# KiCad board RP2040-Breadstick Panel.kicad_pcb (continued)
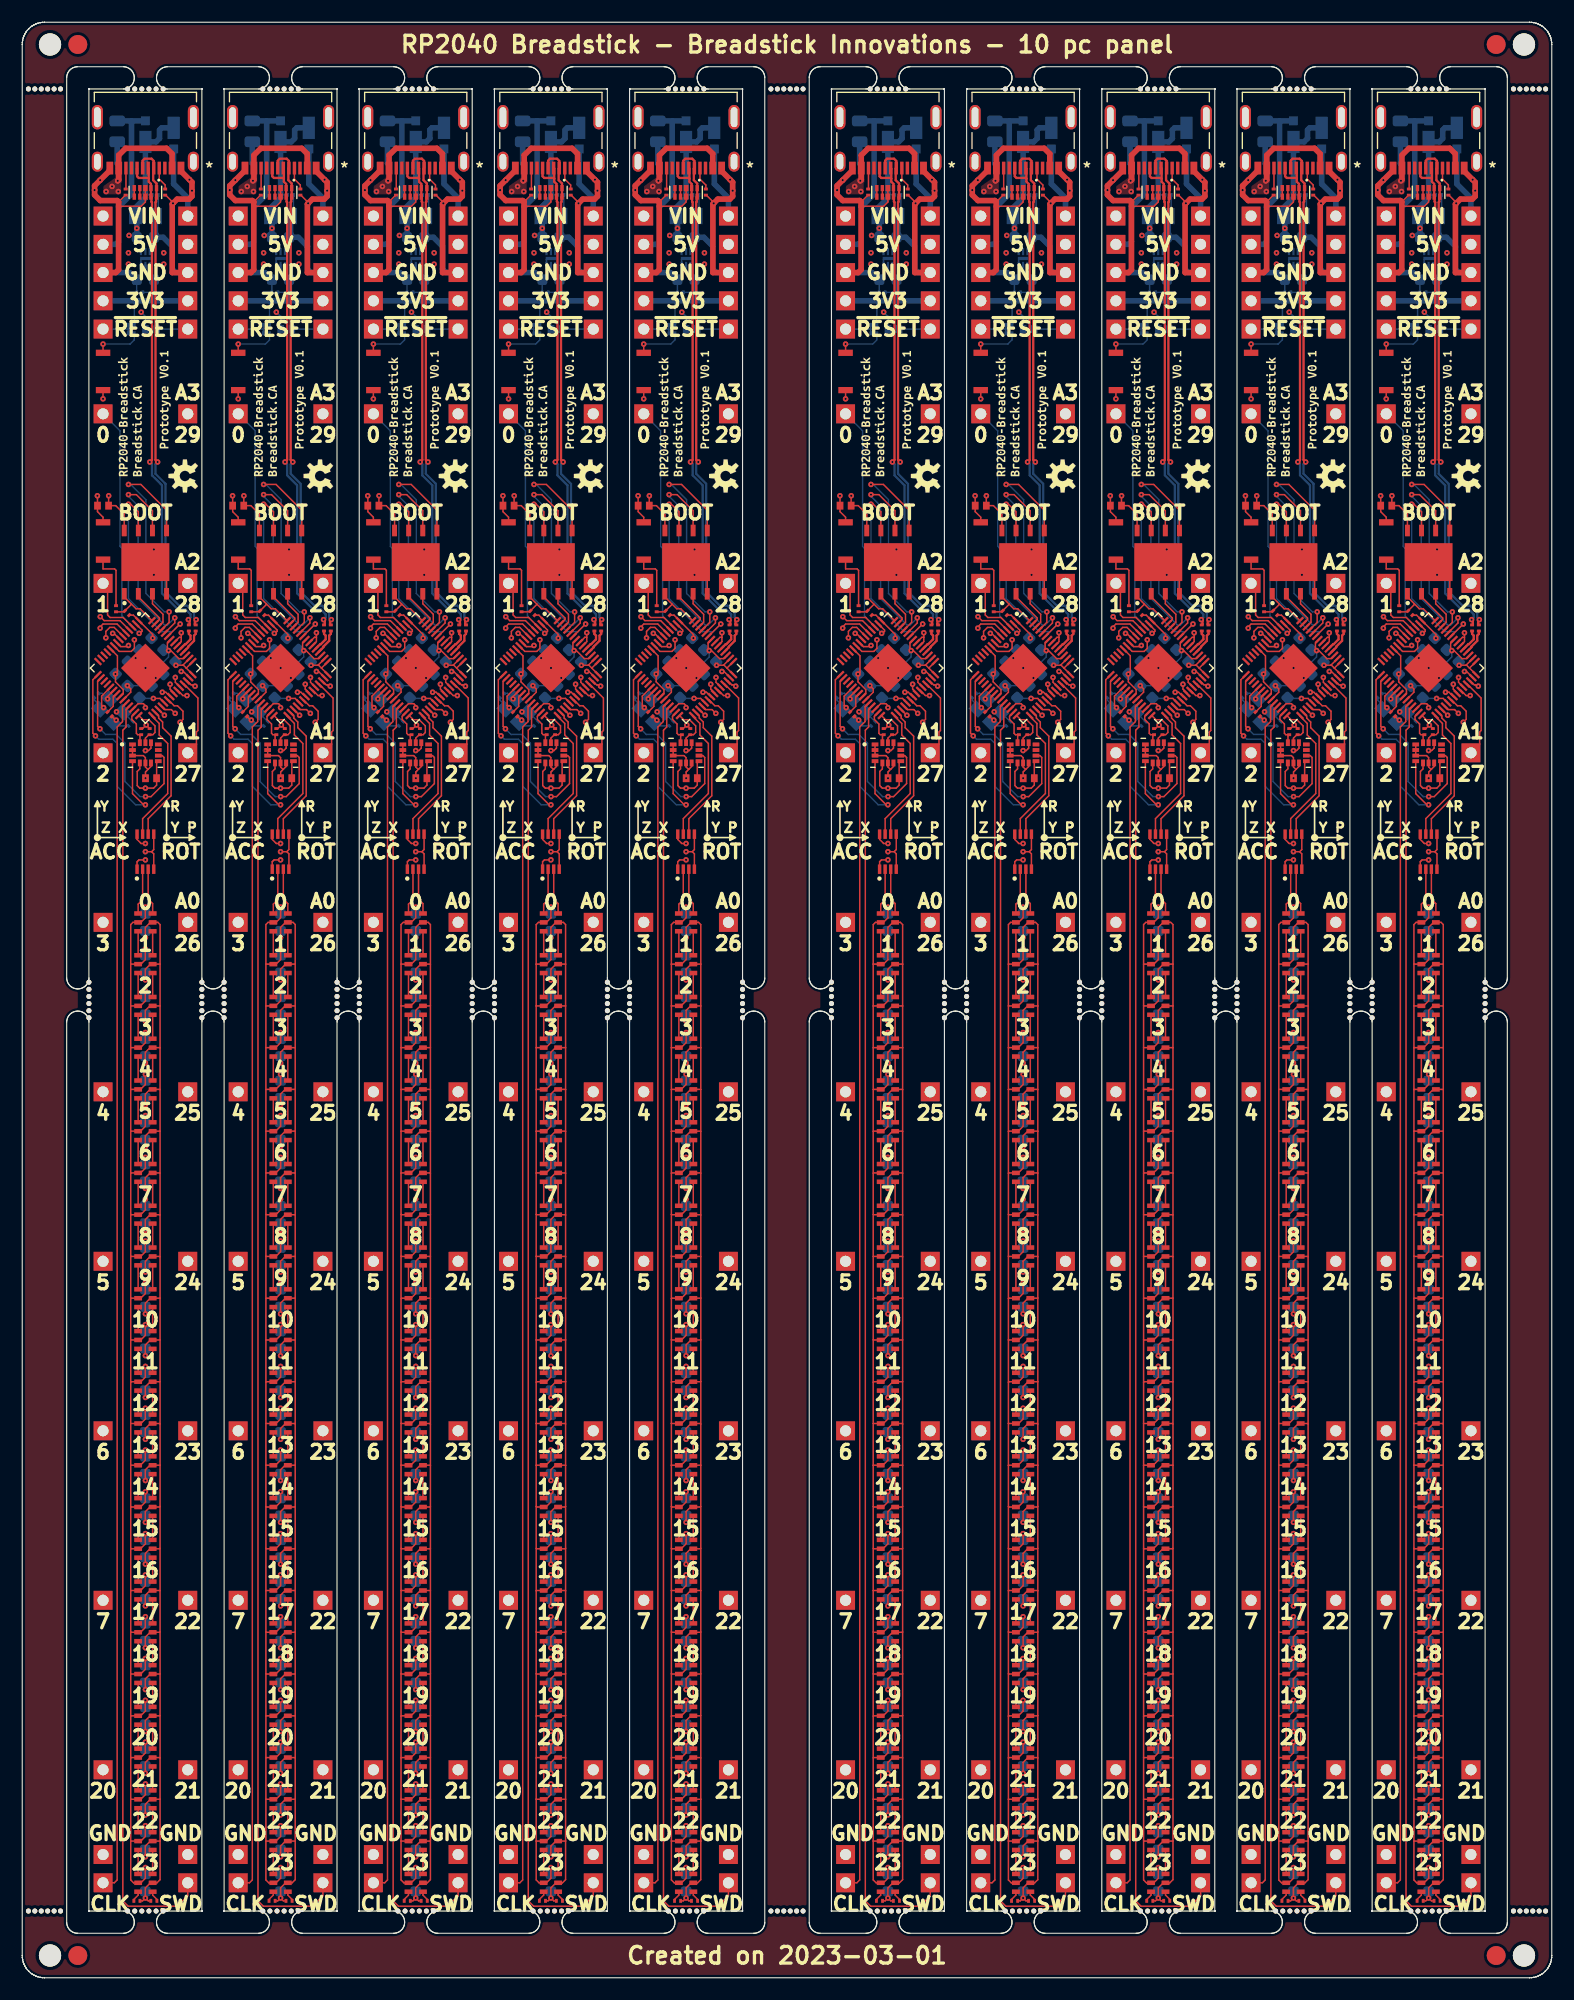
[diagram p0: board, top side]
## Placement (name value [footprint] x y rotation side) (continued)
R209#4  1k 0201  [Perfect_0201_Resistor]  89.66 112.05 180 top
R209#5  1k 0201  [Perfect_0201_Resistor]  35.02 112.05 180 top
R209#6  1k 0201  [Perfect_0201_Resistor]  22.86 112.05 180 top
R209#7  1k 0201  [Perfect_0201_Resistor]  47.18 112.05 180 top
R209#8  1k 0201  [Perfect_0201_Resistor]  101.82 112.05 180 top
R209#9  1k 0201  [Perfect_0201_Resistor]  10.7 112.05 180 top
R209#10  1k 0201  [Perfect_0201_Resistor]  113.98 112.05 180 top
R210  1k 0201  [Perfect_0201_Resistor]  11.46 112.05 180 top
R210#2  1k 0201  [Perfect_0201_Resistor]  90.42 112.05 180 top
R210#3  1k 0201  [Perfect_0201_Resistor]  114.74 112.05 180 top
R210#4  1k 0201  [Perfect_0201_Resistor]  60.1 112.05 180 top
R210#5  1k 0201  [Perfect_0201_Resistor]  23.62 112.05 180 top
R210#6  1k 0201  [Perfect_0201_Resistor]  126.9 112.05 180 top
R210#7  1k 0201  [Perfect_0201_Resistor]  35.78 112.05 180 top
R210#8  1k 0201  [Perfect_0201_Resistor]  47.94 112.05 180 top
R210#9  1k 0201  [Perfect_0201_Resistor]  78.26 112.05 180 top
R210#10  1k 0201  [Perfect_0201_Resistor]  102.58 112.05 180 top
R211  1k 0201  [Perfect_0201_Resistor]  34.13 147.86 90 bottom
R211#2  1k 0201  [Perfect_0201_Resistor]  76.61 147.86 90 bottom
R211#3  1k 0201  [Perfect_0201_Resistor]  21.97 147.86 90 bottom
R211#4  1k 0201  [Perfect_0201_Resistor]  46.29 147.86 90 bottom
R211#5  1k 0201  [Perfect_0201_Resistor]  113.09 147.86 90 bottom
R211#6  1k 0201  [Perfect_0201_Resistor]  100.93 147.86 90 bottom
R211#7  1k 0201  [Perfect_0201_Resistor]  9.81 147.86 90 bottom
R211#8  1k 0201  [Perfect_0201_Resistor]  88.77 147.86 90 bottom
R211#9  1k 0201  [Perfect_0201_Resistor]  125.25 147.86 90 bottom
R211#10  1k 0201  [Perfect_0201_Resistor]  58.45 147.86 90 bottom
R304  10k 0201  [Perfect_0201_Resistor]  58.96 6.91 90 top
R304#2  10k 0201  [Perfect_0201_Resistor]  77.12 6.91 90 top
R304#3  10k 0201  [Perfect_0201_Resistor]  10.32 6.91 90 top
R304#4  10k 0201  [Perfect_0201_Resistor]  101.44 6.91 90 top
R304#5  10k 0201  [Perfect_0201_Resistor]  113.6 6.91 90 top
R304#6  10k 0201  [Perfect_0201_Resistor]  125.76 6.91 90 top
R304#7  10k 0201  [Perfect_0201_Resistor]  89.28 6.91 90 top
R304#8  10k 0201  [Perfect_0201_Resistor]  46.8 6.91 90 top
R304#9  10k 0201  [Perfect_0201_Resistor]  22.48 6.91 90 top
R304#10  10k 0201  [Perfect_0201_Resistor]  34.64 6.91 90 top
R305  10k 0201  [Perfect_0201_Resistor]  90.8 6.91 270 top
R305#2  10k 0201  [Perfect_0201_Resistor]  48.32 6.91 270 top
R305#3  10k 0201  [Perfect_0201_Resistor]  78.64 6.91 270 top
R305#4  10k 0201  [Perfect_0201_Resistor]  11.84 6.91 270 top
R305#5  10k 0201  [Perfect_0201_Resistor]  60.48 6.91 270 top
R305#6  10k 0201  [Perfect_0201_Resistor]  127.28 6.91 270 top
R305#7  10k 0201  [Perfect_0201_Resistor]  24 6.91 270 top
R305#8  10k 0201  [Perfect_0201_Resistor]  102.96 6.91 270 top
R305#9  10k 0201  [Perfect_0201_Resistor]  115.12 6.91 270 top
R305#10  10k 0201  [Perfect_0201_Resistor]  36.16 6.91 270 top
R501  1k 0201  [Perfect_0201_Resistor]  78.77 160.31 90 bottom
R501#2  1k 0201  [Perfect_0201_Resistor]  60.61 160.31 90 bottom
R501#3  1k 0201  [Perfect_0201_Resistor]  48.45 160.31 90 bottom
R501#4  1k 0201  [Perfect_0201_Resistor]  115.25 160.31 90 bottom
R501#5  1k 0201  [Perfect_0201_Resistor]  127.41 160.31 90 bottom
R501#6  1k 0201  [Perfect_0201_Resistor]  103.09 160.31 90 bottom
R501#7  1k 0201  [Perfect_0201_Resistor]  90.93 160.31 90 bottom
R501#8  1k 0201  [Perfect_0201_Resistor]  11.97 160.31 90 bottom
R501#9  1k 0201  [Perfect_0201_Resistor]  36.29 160.31 90 bottom
R501#10  1k 0201  [Perfect_0201_Resistor]  24.13 160.31 90 bottom
R502  1k 0201  [Perfect_0201_Resistor]  59.21 151.54 270 bottom
R502#2  1k 0201  [Perfect_0201_Resistor]  10.57 151.54 270 bottom
R502#3  1k 0201  [Perfect_0201_Resistor]  22.73 151.54 270 bottom
R502#4  1k 0201  [Perfect_0201_Resistor]  77.37 151.54 270 bottom
R502#5  1k 0201  [Perfect_0201_Resistor]  126.01 151.54 270 bottom
R502#6  1k 0201  [Perfect_0201_Resistor]  101.69 151.54 270 bottom
R502#7  1k 0201  [Perfect_0201_Resistor]  113.85 151.54 270 bottom
R502#8  1k 0201  [Perfect_0201_Resistor]  47.05 151.54 270 bottom
R502#9  1k 0201  [Perfect_0201_Resistor]  34.89 151.54 270 bottom
R502#10  1k 0201  [Perfect_0201_Resistor]  89.53 151.54 270 bottom
REF**  -  [NPTH]  40.48 87.6 0 top
REF**#2  -  [NPTH]  84.96 86.32 0 top
REF**#3  -  [NPTH]  21.64 169.83 0 top
REF**#4  -  [NPTH]  42.48 87.6 0 top
REF**#5  -  [NPTH]  60.04 169.83 0 top
REF**#6  -  [NPTH]  135.89 169.83 0 top
REF**#7  -  [NPTH]  103.8 6 0 top
REF**#8  -  [NPTH]  28.32 87.6 0 top
REF**#9  -  [NPTH]  100.6 169.83 0 top
REF**#10  -  [NPTH]  1.71 6 0 top
REF**#11  -  [Fiducial]  5 173.83 0 top
REF**#12  -  [NPTH]  46.6 169.83 0 top
REF**#13  -  [NPTH]  37 169.83 0 top
REF**#14  -  [NPTH]  47.88 169.83 0 top
REF**#15  -  [NPTH]  34.44 6 0 top
REF**#16  -  [NPTH]  90.36 169.83 0 top
REF**#17  -  [NPTH]  36.36 169.83 0 top
REF**#18  -  [NPTH]  58.12 169.83 0 top
REF**#19  -  [NPTH]  100.6 6 0 top
REF**#20  -  [NPTH]  24.2 6 0 top
REF**#21  -  [NPTH]  69.67 169.83 0 top
REF**#22  -  [NPTH]  52.64 88.88 0 top
REF**#23  -  [NPTH]  67.36 6 0 top
REF**#24  -  [NPTH]  127.48 169.83 0 top
REF**#25  -  [NPTH]  131.6 89.52 0 top
REF**#26  -  [NPTH]  60.68 169.83 0 top
REF**#27  -  [NPTH]  103.16 169.83 0 top
REF**#28  -  [NPTH]  40.48 86.96 0 top
REF**#29  -  [NPTH]  126.2 6 0 top
REF**#30  -  [NPTH]  131.6 87.6 0 top
REF**#31  -  [NPTH#2]  135.1 2 0 top
REF**#32  -  [NPTH]  88.44 6 0 top
REF**#33  -  [NPTH]  82.96 89.52 0 top
REF**#34  -  [NPTH]  128.12 169.83 0 top
REF**#35  -  [NPTH]  97.12 86.32 0 top
REF**#36  -  [NPTH]  89.08 6 0 top
REF**#37  -  [NPTH]  114.04 6 0 top
REF**#38  -  [NPTH]  35.72 6 0 top
REF**#39  -  [NPTH]  126.84 169.83 0 top
REF**#40  -  [NPTH]  54.64 86.96 0 top
REF**#41  -  [NPTH]  52.64 88.24 0 top
REF**#42  -  [NPTH]  119.44 86.32 0 top
REF**#43  -  [NPTH]  67.93 6 0 top
REF**#44  -  [NPTH]  47.88 6 0 top
REF**#45  -  [NPTH]  76.92 6 0 top
REF**#46  -  [NPTH]  107.28 89.52 0 top
REF**#47  -  [NPTH]  91.64 6 0 top
REF**#48  -  [NPTH]  24.84 6 0 top
REF**#49  -  [NPTH]  64.8 89.52 0 top
REF**#50  -  [NPTH]  10.76 169.83 0 top
REF**#51  -  [NPTH]  42.48 88.88 0 top
REF**#52  -  [NPTH]  136.47 6 0 top
REF**#53  -  [NPTH]  64.8 87.6 0 top
REF**#54  -  [NPTH]  10.12 6 0 top
REF**#55  -  [NPTH]  58.12 6 0 top
REF**#56  -  [NPTH]  102.52 169.83 0 top
REF**#57  -  [NPTH]  72.8 87.6 0 top
REF**#58  -  [NPTH]  47.24 169.83 0 top
REF**#59  -  [NPTH]  114.68 169.83 0 top
REF**#60  -  [NPTH]  37 6 0 top
REF**#61  -  [NPTH]  60.68 6 0 top
REF**#62  -  [NPTH]  121.44 88.88 0 top
REF**#63  -  [NPTH]  28.32 86.96 0 top
REF**#64  -  [NPTH]  54.64 87.6 0 top
REF**#65  -  [NPTH]  72.8 88.88 0 top
REF**#66  -  [NPTH]  97.12 88.24 0 top
REF**#67  -  [NPTH]  18.16 88.24 0 top
REF**#68  -  [NPTH]  46.6 6 0 top
REF**#69  -  [NPTH]  16.16 86.96 0 top
REF**#70  -  [NPTH]  6 89.52 0 top
REF**#71  -  [NPTH]  103.16 6 0 top
REF**#72  -  [NPTH]  3.44 169.83 0 top
REF**#73  -  [NPTH]  28.32 89.52 0 top
REF**#74  -  [NPTH]  125.56 6 0 top
REF**#75  -  [NPTH]  30.32 88.24 0 top
REF**#76  -  [NPTH]  45.96 6 0 top
REF**#77  -  [NPTH]  78.84 6 0 top
REF**#78  -  [NPTH]  22.92 6 0 top
REF**#79  -  [NPTH]  54.64 86.32 0 top
REF**#80  -  [NPTH]  52.64 89.52 0 top
REF**#81  -  [NPTH]  2.87 6 0 top
REF**#82  -  [NPTH]  11.4 6 0 top
REF**#83  -  [NPTH]  22.28 169.83 0 top
REF**#84  -  [NPTH]  84.96 86.96 0 top
REF**#85  -  [NPTH]  128.12 6 0 top
REF**#86  -  [NPTH]  64.8 86.32 0 top
REF**#87  -  [NPTH]  109.28 86.96 0 top
REF**#88  -  [NPTH]  12.04 6 0 top
REF**#89  -  [NPTH]  79.48 6 0 top
REF**#90  -  [NPTH]  112.76 169.83 0 top
REF**#91  -  [NPTH]  69.09 6 0 top
REF**#92  -  [Fiducial]  132.6 2 0 top
REF**#93  -  [NPTH]  67.36 169.83 0 top
REF**#94  -  [NPTH]  78.84 169.83 0 top
REF**#95  -  [NPTH]  121.44 86.32 0 top
REF**#96  -  [NPTH]  70.24 169.83 0 top
REF**#97  -  [NPTH]  3.44 6 0 top
REF**#98  -  [NPTH]  33.8 169.83 0 top
REF**#99  -  [NPTH]  107.28 86.96 0 top
REF**#100  -  [NPTH]  6 88.24 0 top
REF**#101  -  [NPTH]  77.56 169.83 0 top
REF**#102  -  [NPTH]  82.96 87.6 0 top
REF**#103  -  [NPTH]  2.29 169.83 0 top
REF**#104  -  [NPTH]  79.48 169.83 0 top
REF**#105  -  [NPTH]  24.84 169.83 0 top
REF**#106  -  [NPTH]  124.92 169.83 0 top
REF**#107  -  [NPTH]  95.12 87.6 0 top
REF**#108  -  [NPTH]  18.16 88.88 0 top
REF**#109  -  [NPTH]  47.24 6 0 top
REF**#110  -  [NPTH]  12.68 169.83 0 top
REF**#111  -  [NPTH]  16.16 88.88 0 top
REF**#112  -  [NPTH]  52.64 86.96 0 top
REF**#113  -  [NPTH]  42.48 88.24 0 top
REF**#114  -  [NPTH]  10.76 6 0 top
REF**#115  -  [NPTH]  77.56 6 0 top
REF**#116  -  [NPTH]  136.47 169.83 0 top
REF**#117  -  [NPTH]  21.64 6 0 top
REF**#118  -  [NPTH]  28.32 88.88 0 top
REF**#119  -  [NPTH]  42.48 86.96 0 top
REF**#120  -  [NPTH]  115.32 6 0 top
REF**#121  -  [NPTH]  89.08 169.83 0 top
REF**#122  -  [NPTH]  72.8 88.24 0 top
REF**#123  -  [NPTH]  78.2 169.83 0 top
REF**#124  -  [NPTH]  12.68 6 0 top
REF**#125  -  [NPTH]  2.87 169.83 0 top
REF**#126  -  [NPTH]  95.12 88.24 0 top
REF**#127  -  [NPTH]  6 86.96 0 top
REF**#128  -  [NPTH]  52.64 86.32 0 top
REF**#129  -  [NPTH]  91 6 0 top
REF**#130  -  [NPTH]  131.6 86.96 0 top
REF**#131  -  [NPTH]  30.32 88.88 0 top
REF**#132  -  [NPTH]  107.28 86.32 0 top
REF**#133  -  [NPTH]  28.32 88.24 0 top
REF**#134  -  [NPTH]  82.96 88.88 0 top
REF**#135  -  [NPTH]  64.8 88.24 0 top
REF**#136  -  [NPTH]  1.13 6 0 top
REF**#137  -  [NPTH]  45.96 169.83 0 top
REF**#138  -  [NPTH]  69.67 6 0 top
REF**#139  -  [NPTH]  107.28 87.6 0 top
REF**#140  -  [NPTH]  9.48 6 0 top
REF**#141  -  [NPTH]  54.64 88.24 0 top
REF**#142  -  [NPTH]  52.64 87.6 0 top
REF**#143  -  [NPTH]  60.04 6 0 top
REF**#144  -  [NPTH]  131.6 88.24 0 top
REF**#145  -  [NPTH]  119.44 88.24 0 top
REF**#146  -  [NPTH]  10.12 169.83 0 top
REF**#147  -  [NPTH]  35.08 6 0 top
REF**#148  -  [NPTH]  58.76 169.83 0 top
REF**#149  -  [NPTH]  22.92 169.83 0 top
REF**#150  -  [NPTH]  119.44 88.88 0 top
REF**#151  -  [NPTH]  30.32 86.32 0 top
REF**#152  -  [NPTH]  33.8 6 0 top
REF**#153  -  [NPTH]  35.08 169.83 0 top
REF**#154  -  [NPTH]  42.48 86.32 0 top
REF**#155  -  [NPTH]  30.32 86.96 0 top
REF**#156  -  [NPTH]  64.8 86.96 0 top
REF**#157  -  [NPTH]  18.16 86.96 0 top
REF**#158  -  [NPTH]  101.24 6 0 top
REF**#159  -  [NPTH]  95.12 86.96 0 top
REF**#160  -  [NPTH]  16.16 89.52 0 top
REF**#161  -  [NPTH]  134.16 6 0 top
REF**#162  -  [NPTH]  18.16 89.52 0 top
REF**#163  -  [NPTH]  109.28 88.24 0 top
REF**#164  -  [NPTH]  101.88 6 0 top
REF**#165  -  [NPTH]  121.44 88.24 0 top
REF**#166  -  [NPTH]  119.44 89.52 0 top
REF**#167  -  [NPTH]  119.44 87.6 0 top
REF**#168  -  [NPTH]  22.28 6 0 top
REF**#169  -  [NPTH]  95.12 88.88 0 top
REF**#170  -  [NPTH]  36.36 6 0 top
REF**#171  -  [NPTH]  72.8 86.96 0 top
REF**#172  -  [NPTH]  102.52 6 0 top
REF**#173  -  [NPTH]  72.8 89.52 0 top
REF**#174  -  [NPTH]  16.16 86.32 0 top
REF**#175  -  [NPTH]  23.56 169.83 0 top
REF**#176  -  [NPTH]  119.44 86.96 0 top
REF**#177  -  [NPTH#2]  2.5 2 0 top
REF**#178  -  [NPTH]  6 88.88 0 top
REF**#179  -  [NPTH]  40.48 86.32 0 top
REF**#180  -  [NPTH]  0.56 6 0 top
REF**#181  -  [NPTH]  76.28 169.83 0 top
REF**#182  -  [NPTH#2]  2.5 173.83 0 top
REF**#183  -  [NPTH]  84.96 87.6 0 top
REF**#184  -  [NPTH]  54.64 88.88 0 top
REF**#185  -  [NPTH]  109.28 87.6 0 top
REF**#186  -  [NPTH]  107.28 88.88 0 top
REF**#187  -  [NPTH]  112.76 6 0 top
REF**#188  -  [NPTH]  134.73 6 0 top
REF**#189  -  [NPTH]  97.12 86.96 0 top
REF**#190  -  [NPTH]  121.44 89.52 0 top
REF**#191  -  [NPTH]  11.4 169.83 0 top
REF**#192  -  [NPTH]  113.4 169.83 0 top
REF**#193  -  [NPTH]  0.56 169.83 0 top
REF**#194  -  [NPTH]  2.29 6 0 top
REF**#195  -  [NPTH]  88.44 169.83 0 top
REF**#196  -  [NPTH]  67.93 169.83 0 top
REF**#197  -  [NPTH]  127.48 6 0 top
REF**#198  -  [NPTH]  54.64 89.52 0 top
REF**#199  -  [NPTH]  40.48 89.52 0 top
REF**#200  -  [NPTH]  6 87.6 0 top
REF**#201  -  [NPTH]  68.51 169.83 0 top
REF**#202  -  [NPTH]  101.24 169.83 0 top
REF**#203  -  [NPTH]  69.09 169.83 0 top
REF**#204  -  [NPTH]  115.32 169.83 0 top
REF**#205  -  [NPTH]  89.72 169.83 0 top
REF**#206  -  [NPTH]  114.68 6 0 top
REF**#207  -  [NPTH]  103.8 169.83 0 top
REF**#208  -  [NPTH]  137.04 169.83 0 top
REF**#209  -  [NPTH]  59.4 6 0 top
REF**#210  -  [NPTH]  109.28 88.88 0 top
REF**#211  -  [NPTH]  90.36 6 0 top
REF**#212  -  [NPTH]  107.28 88.24 0 top
REF**#213  -  [NPTH]  16.16 88.24 0 top
REF**#214  -  [NPTH]  97.12 87.6 0 top
REF**#215  -  [NPTH]  30.32 89.52 0 top
REF**#216  -  [NPTH]  48.52 169.83 0 top
REF**#217  -  [NPTH]  121.44 87.6 0 top
REF**#218  -  [NPTH]  135.31 6 0 top
REF**#219  -  [NPTH]  1.13 169.83 0 top
REF**#220  -  [NPTH]  126.2 169.83 0 top
REF**#221  -  [NPTH]  101.88 169.83 0 top
REF**#222  -  [NPTH]  30.32 87.6 0 top
REF**#223  -  [NPTH]  115.96 169.83 0 top
REF**#224  -  [NPTH]  89.72 6 0 top
REF**#225  -  [NPTH#2]  135.1 173.83 0 top
REF**#226  -  [NPTH]  125.56 169.83 0 top
REF**#227  -  [NPTH]  70.24 6 0 top
REF**#228  -  [NPTH]  18.16 86.32 0 top
REF**#229  -  [NPTH]  40.48 88.88 0 top
REF**#230  -  [NPTH]  61.32 6 0 top
REF**#231  -  [NPTH]  115.96 6 0 top
REF**#232  -  [NPTH]  134.73 169.83 0 top
REF**#233  -  [NPTH]  131.6 86.32 0 top
REF**#234  -  [NPTH]  82.96 88.24 0 top
REF**#235  -  [NPTH]  34.44 169.83 0 top
REF**#236  -  [NPTH]  84.96 88.24 0 top
REF**#237  -  [NPTH]  6 86.32 0 top
REF**#238  -  [NPTH]  126.84 6 0 top
REF**#239  -  [NPTH]  97.12 89.52 0 top
REF**#240  -  [NPTH]  48.52 6 0 top
REF**#241  -  [Fiducial]  132.6 173.83 0 top
REF**#242  -  [NPTH]  76.92 169.83 0 top
REF**#243  -  [NPTH]  9.48 169.83 0 top
REF**#244  -  [NPTH]  24.2 169.83 0 top
REF**#245  -  [NPTH]  78.2 6 0 top
REF**#246  -  [NPTH]  95.12 86.32 0 top
REF**#247  -  [NPTH]  84.96 89.52 0 top
REF**#248  -  [NPTH]  135.89 6 0 top
REF**#249  -  [NPTH]  40.48 88.24 0 top
REF**#250  -  [NPTH]  82.96 86.96 0 top
REF**#251  -  [NPTH]  58.76 6 0 top
REF**#252  -  [NPTH]  91.64 169.83 0 top
REF**#253  -  [NPTH]  97.12 88.88 0 top
REF**#254  -  [NPTH]  134.16 169.83 0 top
REF**#255  -  [NPTH]  18.16 87.6 0 top
REF**#256  -  [NPTH]  16.16 87.6 0 top
REF**#257  -  [NPTH]  61.32 169.83 0 top
REF**#258  -  [NPTH]  35.72 169.83 0 top
REF**#259  -  [NPTH]  49.16 169.83 0 top
REF**#260  -  [NPTH]  124.92 6 0 top
REF**#261  -  [NPTH]  49.16 6 0 top
REF**#262  -  [NPTH]  68.51 6 0 top
REF**#263  -  [NPTH]  114.04 169.83 0 top
REF**#264  -  [NPTH]  42.48 89.52 0 top
REF**#265  -  [NPTH]  64.8 88.88 0 top
REF**#266  -  [NPTH]  76.28 6 0 top
REF**#267  -  [NPTH]  59.4 169.83 0 top
REF**#268  -  [NPTH]  84.96 88.88 0 top
REF**#269  -  [NPTH]  95.12 89.52 0 top
REF**#270  -  [NPTH]  135.31 169.83 0 top
REF**#271  -  [NPTH]  109.28 86.32 0 top
REF**#272  -  [NPTH]  28.32 86.32 0 top
REF**#273  -  [NPTH]  109.28 89.52 0 top
REF**#274  -  [NPTH]  82.96 86.32 0 top
REF**#275  -  [NPTH]  91 169.83 0 top
REF**#276  -  [Fiducial]  5 2 0 top
REF**#277  -  [NPTH]  113.4 6 0 top
REF**#278  -  [NPTH]  137.04 6 0 top
REF**#279  -  [NPTH]  23.56 6 0 top
REF**#280  -  [NPTH]  72.8 86.32 0 top
REF**#281  -  [NPTH]  131.6 88.88 0 top
REF**#282  -  [NPTH]  1.71 169.83 0 top
REF**#283  -  [NPTH]  12.04 169.83 0 top
REF**#284  -  [NPTH]  121.44 86.96 0 top
REF**#285  -  [Fiducial]  5 173.83 0 bottom
REF**#286  -  [Fiducial]  132.6 2 0 bottom
REF**#287  -  [Fiducial]  5 2 0 bottom
REF**#288  -  [Fiducial]  132.6 173.83 0 bottom
SW201  ~{USB_BOOT}  [R-667995]  74.07 129.19 270 top
SW201#2  ~{USB_BOOT}  [R-667995]  86.23 129.19 270 top
SW201#3  ~{USB_BOOT}  [R-667995]  122.71 129.19 270 top
SW201#4  ~{USB_BOOT}  [R-667995]  7.27 129.19 270 top
SW201#5  ~{USB_BOOT}  [R-667995]  31.59 129.19 270 top
SW201#6  ~{USB_BOOT}  [R-667995]  19.43 129.19 270 top
SW201#7  ~{USB_BOOT}  [R-667995]  98.39 129.19 270 top
SW201#8  ~{USB_BOOT}  [R-667995]  110.55 129.19 270 top
SW201#9  ~{USB_BOOT}  [R-667995]  43.75 129.19 270 top
SW201#10  ~{USB_BOOT}  [R-667995]  55.91 129.19 270 top
SW202  ~{RESET}  [R-667995]  86.23 144.43 90 top
SW202#2  ~{RESET}  [R-667995]  31.59 144.43 90 top
SW202#3  ~{RESET}  [R-667995]  74.07 144.43 90 top
SW202#4  ~{RESET}  [R-667995]  55.91 144.43 90 top
SW202#5  ~{RESET}  [R-667995]  19.43 144.43 90 top
SW202#6  ~{RESET}  [R-667995]  122.71 144.43 90 top
SW202#7  ~{RESET}  [R-667995]  43.75 144.43 90 top
SW202#8  ~{RESET}  [R-667995]  110.55 144.43 90 top
SW202#9  ~{RESET}  [R-667995]  98.39 144.43 90 top
SW202#10  ~{RESET}  [R-667995]  7.27 144.43 90 top
U201  RP2040  [QFN40P700X700X90-57N]  11.08 117.76 315 top
U201#2  RP2040  [QFN40P700X700X90-57N]  47.56 117.76 315 top
U201#3  RP2040  [QFN40P700X700X90-57N]  126.52 117.76 315 top
U201#4  RP2040  [QFN40P700X700X90-57N]  114.36 117.76 315 top
U201#5  RP2040  [QFN40P700X700X90-57N]  102.2 117.76 315 top
U201#6  RP2040  [QFN40P700X700X90-57N]  90.04 117.76 315 top
U201#7  RP2040  [QFN40P700X700X90-57N]  77.88 117.76 315 top
U201#8  RP2040  [QFN40P700X700X90-57N]  35.4 117.76 315 top
U201#9  RP2040  [QFN40P700X700X90-57N]  23.24 117.76 315 top
U201#10  RP2040  [QFN40P700X700X90-57N]  59.72 117.76 315 top
U202  TPD4E05U06DQAR  [TI_TPD4E05U06DQAR]  59.72 160.53 270 top
U202#2  TPD4E05U06DQAR  [TI_TPD4E05U06DQAR]  11.08 160.53 270 top
U202#3  TPD4E05U06DQAR  [TI_TPD4E05U06DQAR]  126.52 160.53 270 top
U202#4  TPD4E05U06DQAR  [TI_TPD4E05U06DQAR]  90.04 160.53 270 top
U202#5  TPD4E05U06DQAR  [TI_TPD4E05U06DQAR]  23.24 160.53 270 top
U202#6  TPD4E05U06DQAR  [TI_TPD4E05U06DQAR]  102.2 160.53 270 top
U202#7  TPD4E05U06DQAR  [TI_TPD4E05U06DQAR]  47.56 160.53 270 top
U202#8  TPD4E05U06DQAR  [TI_TPD4E05U06DQAR]  35.4 160.53 270 top
U202#9  TPD4E05U06DQAR  [TI_TPD4E05U06DQAR]  77.88 160.53 270 top
U202#10  TPD4E05U06DQAR  [TI_TPD4E05U06DQAR]  114.36 160.53 270 top
U203  W25Q128JVPIQ TR  [W25Q128JVPIQ-TR]  90.04 127.29 90 top
U203#2  W25Q128JVPIQ TR  [W25Q128JVPIQ-TR]  47.56 127.29 90 top
U203#3  W25Q128JVPIQ TR  [W25Q128JVPIQ-TR]  23.24 127.29 90 top
U203#4  W25Q128JVPIQ TR  [W25Q128JVPIQ-TR]  126.52 127.29 90 top
U203#5  W25Q128JVPIQ TR  [W25Q128JVPIQ-TR]  59.72 127.29 90 top
U203#6  W25Q128JVPIQ TR  [W25Q128JVPIQ-TR]  102.2 127.29 90 top
U203#7  W25Q128JVPIQ TR  [W25Q128JVPIQ-TR]  11.08 127.29 90 top
U203#8  W25Q128JVPIQ TR  [W25Q128JVPIQ-TR]  35.4 127.29 90 top
U203#9  W25Q128JVPIQ TR  [W25Q128JVPIQ-TR]  77.88 127.29 90 top
U203#10  W25Q128JVPIQ TR  [W25Q128JVPIQ-TR]  114.36 127.29 90 top
U401  LSM6DSMTR  [PQFN50P300X250X86-14N]  77.88 110.14 0 top
U401#2  LSM6DSMTR  [PQFN50P300X250X86-14N]  23.24 110.14 0 top
U401#3  LSM6DSMTR  [PQFN50P300X250X86-14N]  35.4 110.14 0 top
U401#4  LSM6DSMTR  [PQFN50P300X250X86-14N]  47.56 110.14 0 top
U401#5  LSM6DSMTR  [PQFN50P300X250X86-14N]  90.04 110.14 0 top
U401#6  LSM6DSMTR  [PQFN50P300X250X86-14N]  114.36 110.14 0 top
U401#7  LSM6DSMTR  [PQFN50P300X250X86-14N]  126.52 110.14 0 top
U401#8  LSM6DSMTR  [PQFN50P300X250X86-14N]  11.08 110.14 0 top
U401#9  LSM6DSMTR  [PQFN50P300X250X86-14N]  59.72 110.14 0 top
U401#10  LSM6DSMTR  [PQFN50P300X250X86-14N]  102.2 110.14 0 top
U501  MIC5528-3.3YMT-TR  [SON40P120X120X60-7N]  114.36 154.59 90 bottom
U501#2  MIC5528-3.3YMT-TR  [SON40P120X120X60-7N]  59.72 154.59 90 bottom
U501#3  MIC5528-3.3YMT-TR  [SON40P120X120X60-7N]  11.08 154.59 90 bottom
U501#4  MIC5528-3.3YMT-TR  [SON40P120X120X60-7N]  90.04 154.59 90 bottom
U501#5  MIC5528-3.3YMT-TR  [SON40P120X120X60-7N]  77.88 154.59 90 bottom
U501#6  MIC5528-3.3YMT-TR  [SON40P120X120X60-7N]  23.24 154.59 90 bottom
U501#7  MIC5528-3.3YMT-TR  [SON40P120X120X60-7N]  35.4 154.59 90 bottom
U501#8  MIC5528-3.3YMT-TR  [SON40P120X120X60-7N]  47.56 154.59 90 bottom
U501#9  MIC5528-3.3YMT-TR  [SON40P120X120X60-7N]  126.52 154.59 90 bottom
U501#10  MIC5528-3.3YMT-TR  [SON40P120X120X60-7N]  102.2 154.59 90 bottom
Y201  12MHz  [XTAL_ECS-120-10-36Q-ES-TR]  99.13 113.92 315 bottom
Y201#2  12MHz  [XTAL_ECS-120-10-36Q-ES-TR]  123.45 113.92 315 bottom
Y201#3  12MHz  [XTAL_ECS-120-10-36Q-ES-TR]  20.17 113.92 315 bottom
Y201#4  12MHz  [XTAL_ECS-120-10-36Q-ES-TR]  44.49 113.92 315 bottom
Y201#5  12MHz  [XTAL_ECS-120-10-36Q-ES-TR]  8.01 113.92 315 bottom
Y201#6  12MHz  [XTAL_ECS-120-10-36Q-ES-TR]  86.97 113.92 315 bottom
Y201#7  12MHz  [XTAL_ECS-120-10-36Q-ES-TR]  74.81 113.92 315 bottom
Y201#8  12MHz  [XTAL_ECS-120-10-36Q-ES-TR]  111.29 113.92 315 bottom
Y201#9  12MHz  [XTAL_ECS-120-10-36Q-ES-TR]  32.33 113.92 315 bottom
Y201#10  12MHz  [XTAL_ECS-120-10-36Q-ES-TR]  56.65 113.92 315 bottom

## Library data of the parts
C201 C201#2-C201#10 C203 C203#2-C203#10 = -: Digikey: 490-GRM0335C1H100FA01JDKR-ND
C202 C202#2-C202#10 C204 C204#2-C204#10 C205 C205#2-C205#10 C206 C206#2-C206#10 C210 C210#2-C210#10 C211 C211#2-C211#10 C303 C303#2-C303#10 C304 C304#2-C304#10 C305 C305#2-C305#10 C306 C306#2-C306#10 C307 C307#2-C307#10 C308 C308#2-C308#10 C309 C309#2-C309#10 C310 C310#2-C310#10 C311 C311#2-C311#10 C312 C312#2-C312#10 C313 C313#2-C313#10 C314 C314#2-C314#10 C315 C315#2-C315#10 C316 C316#2-C316#10 C317 C317#2-C317#10 C318 C318#2-C318#10 C319 C319#2-C319#10 C320 C320#2-C320#10 C321 C321#2-C321#10 C322 C322#2-C322#10 C323 C323#2-C323#10 C324 C324#2-C324#10 C325 C325#2-C325#10 C326 C326#2-C326#10 C502 C502#2-C502#10 C503 C503#2-C503#10 = -: Digikey: 1276-1134-6-ND
C207 C207#2-C207#10 C216 C216#2-C216#10 C401 C401#2-C401#10 = -: Digikey: 1276-1076-6-ND
C501 C501#2-C501#10 = -: Digikey: 478-4696-6-ND
D501 D501#2-D501#10 D502 D502#2-D502#10 = -: Digikey: V2PL45HM3/HGIDKR-ND
F501 F501#2-F501#10 = -: Digikey: 283-PTSLR08058V400DKR-ND
IC301 IC301#2-IC301#10 = -: Description: 74AXP2T45 - 2-bit dual supply translating transceiver; 3-state@en-us; Height: 1; Manufacturer_Name: Nexperia; Mouser Part Number: 771-74AXP2T45DCH; Mouser Price/Stock: https://www.mouser.co.uk/ProductDetail/Nexperia/74AXP2T45DCH?qs=zW32dvEIR3sxrLVo3YcFTw%3D%3D
J201 J201#2-J201#10 J202 J202#2-J202#10 J203 J203#2-J203#10 J204 J204#2-J204#10 J205 J205#2-J205#10 J206 J206#2-J206#10 J207 J207#2-J207#10 J208 J208#2-J208#10 J209 J209#2-J209#10 J210 J210#2-J210#10 J211 J211#2-J211#10 J212 J212#2-J212#10 J213 J213#2-J213#10 J214 J214#2-J214#10 J215 J215#2-J215#10 J217 J217#2-J217#10 J218 J218#2-J218#10 J219 J219#2-J219#10 J220 J220#2-J220#10 J222 J222#2-J222#10 J223 J223#2-J223#10 J224 J224#2-J224#10 J501 J501#2-J501#10 J502 J502#2-J502#10 J503 J503#2-J503#10 J504 J504#2-J504#10 J505 J505#2-J505#10 J506 J506#2-J506#10 J507 J507#2-J507#10 J508 J508#2-J508#10 J509 J509#2-J509#10 J510 J510#2-J510#10 = -: JLCPCB P/N: C492400
J221 J221#2-J221#10 = -: Digikey: 900-2171790001DKR-ND; Field5: *; Field6: Copyright 2021 Accelerated Designs. All rights reserved.; Field7: *
LED301 LED301#2-LED301#10 LED302 LED302#2-LED302#10 LED303 LED303#2-LED303#10 LED304 LED304#2-LED304#10 LED305 LED305#2-LED305#10 LED306 LED306#2-LED306#10 LED307 LED307#2-LED307#10 LED308 LED308#2-LED308#10 LED309 LED309#2-LED309#10 LED310 LED310#2-LED310#10 LED311 LED311#2-LED311#10 LED312 LED312#2-LED312#10 LED313 LED313#2-LED313#10 LED314 LED314#2-LED314#10 LED315 LED315#2-LED315#10 LED316 LED316#2-LED316#10 LED317 LED317#2-LED317#10 LED318 LED318#2-LED318#10 LED319 LED319#2-LED319#10 LED320 LED320#2-LED320#10 LED321 LED321#2-LED321#10 LED322 LED322#2-LED322#10 LED323 LED323#2-LED323#10 LED324 LED324#2-LED324#10 = -: JLCPCB P/N: C2909059
R201 R201#2-R201#10 R204 R204#2-R204#10 R209 R209#2-R209#10 R210 R210#2-R210#10 R211 R211#2-R211#10 R501 R501#2-R501#10 R502 R502#2-R502#10 = -: Digikey: P122413DKR-ND
R202 R202#2-R202#10 R203 R203#2-R203#10 = -: Digikey: P122894DKR-ND
R205 R205#2-R205#10 R208 R208#2-R208#10 R304 R304#2-R304#10 R305 R305#2-R305#10 = -: Digikey: P122414DKR-ND
R206 R206#2-R206#10 R207 R207#2-R207#10 = -: Digikey: P123051DKR-ND
SW201 = -: Digikey: 2508-R-667995DKR-ND; Field6: 0.051in/1.295mm; Field7: Copyright 2021 Accelerated Designs. All rights reserved.; Field8: 0.022in/0.559mm; Field9: 0in/0mm; Field10: 0.132in/3.353mm; Field11: *
SW201#2 = -: Digikey: 2508-R-667995DKR-ND; Field6: Copyright 2021 Accelerated Designs. All rights reserved.; Field7: 0.051in/1.295mm; Field8: 0.022in/0.559mm; Field9: 0.132in/3.353mm; Field10: 0in/0mm; Field11: *
SW201#3 = -: Digikey: 2508-R-667995DKR-ND; Field6: 0.051in/1.295mm; Field7: Copyright 2021 Accelerated Designs. All rights reserved.; Field8: 0.022in/0.559mm; Field9: 0.132in/3.353mm; Field10: 0in/0mm; Field11: *
SW201#4 = -: Digikey: 2508-R-667995DKR-ND; Field6: 0.022in/0.559mm; Field7: 0in/0mm; Field8: Copyright 2021 Accelerated Designs. All rights reserved.; Field9: 0.132in/3.353mm; Field10: 0.051in/1.295mm; Field11: *
SW201#5 = -: Digikey: 2508-R-667995DKR-ND; Field6: 0.022in/0.559mm; Field7: 0.132in/3.353mm; Field8: 0.051in/1.295mm; Field9: Copyright 2021 Accelerated Designs. All rights reserved.; Field10: 0in/0mm; Field11: *
SW201#6 = -: Digikey: 2508-R-667995DKR-ND; Field6: 0in/0mm; Field7: 0.132in/3.353mm; Field8: Copyright 2021 Accelerated Designs. All rights reserved.; Field9: 0.022in/0.559mm; Field10: 0.051in/1.295mm; Field11: *
